# KiCad board AOML_AB_3.0_reorganized-v3.kicad_pcb (continued)
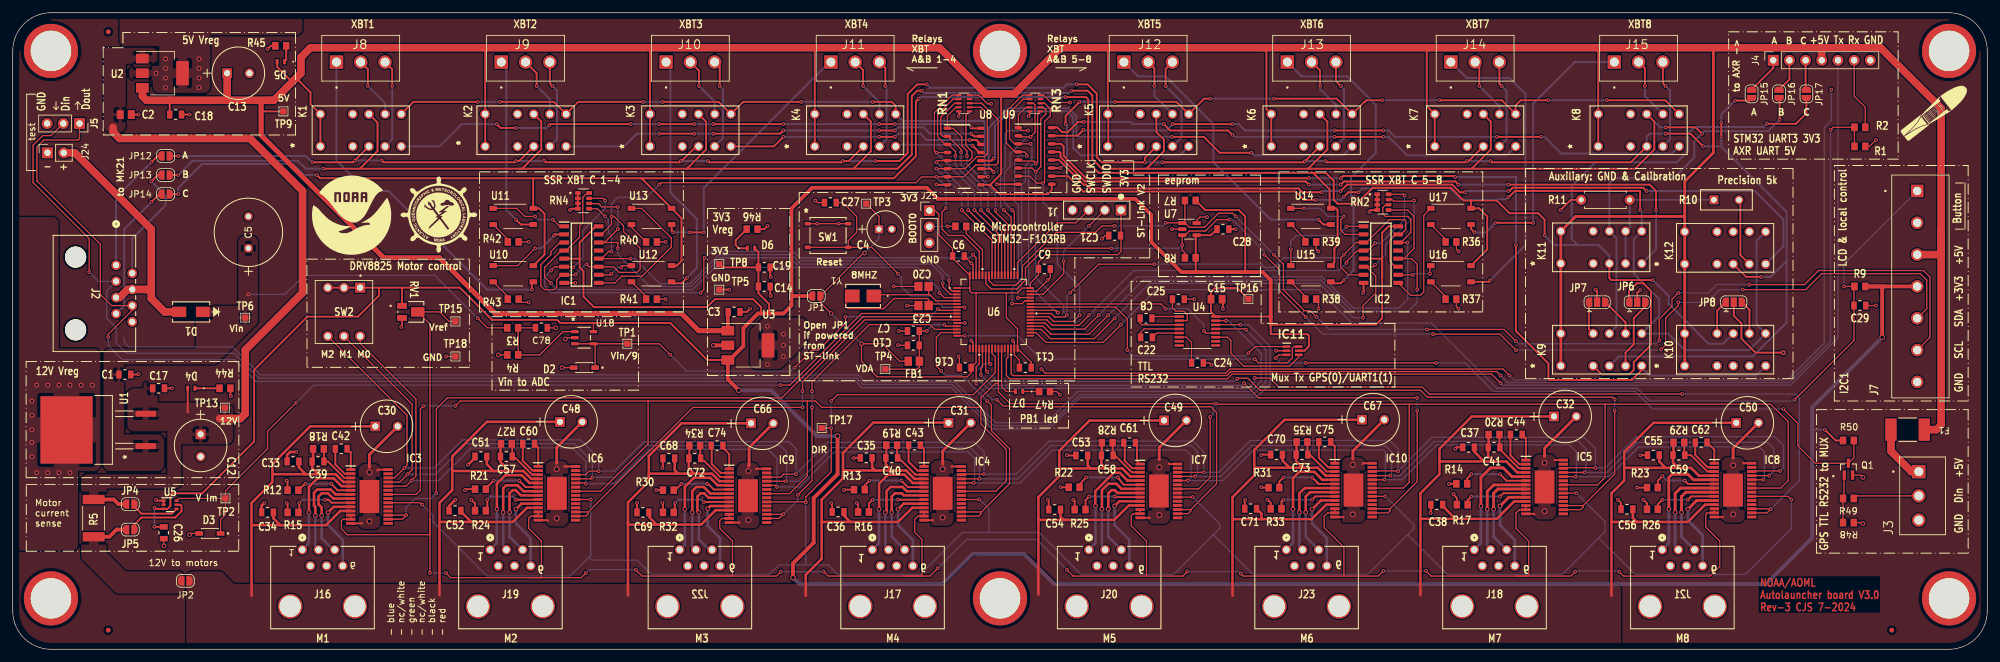
[diagram p0: board, top side]
## Routing (per net, layer and track width the routed paths; a pad name or vN(x,y) marks a point on that pad's centre or on a via; arc(x,y) is an arc through that point) (continued)
/Din_fromComputer: length 248.9
  Top w0.2: v1(193.6,50.2) 193.47,50.32 U4.13 ; J2.3 15.9,57.8 ; v1(12,59.25) 12,64.5 3.19,73.31 3.19,79.19 4.7,80.7 6.04,80.7 J5.2
  Bottom w0.2: v1(193.6,50.2) 196.75,47.05 196.75,42 194.75,40 167.5,40 162.6,35.1 154,35.1 147.5,41.6 133.5,41.6 132.5,42.6 38.64,42.6 34.74,46.5 17.85,46.5 16.23,48.12 16.23,50.52 14.75,52 14.75,56.32 J2.3 13.45,57.8 v1(12,59.25)
/Din_fromGPS: length 104.7
  Top w0.2: IC11.3 198.75,46.25 v1(198.25,45.75) ; v1(203,45) v1(223.5,45) ; v1(278,37.75) 280.25,35.5 280.25,32 283.02,29.23 Q1.3 289.05,30.08 R50.2
  Bottom w0.2: v1(278,37.75) 257.5,37.75 254.75,40.5 232.5,40.5 228,45 v1(223.5,45) ; v1(203,45) 199,45 v1(198.25,45.75)
/Dout_toComputer: length 257.1
  Top w0.2: J5.1 10.48,80.23 10.25,80 4.9,80 3.8,78.9 3.8,73.6 13.75,63.65 13.75,55.75 15.51,53.99 J2.6 18.77,53.27 15,49.5 v1(15,49) ; U4.14 188.89,51 v1(192.75,51)
  Bottom w0.2: v1(15,49) 15,47.7 17.2,45.5 34.8,45.5 38.2,42.1 132.33,42.1 133.33,41.1 147.33,41.1 153.83,34.6 162.67,34.6 167.67,39.6 195.3,39.6 197.4,41.7 197.4,47.6 194,51 v1(192.75,51)
/I2C1_SCL: length 190
  Top w0.2: v1(222,50.25) 234.15,50.25 v1(236,48.4) ; v1(173,66.5) 171,66.5 170,65.5 163.8,65.5 158.5,60.2 158.5,58.2 157.5,57.2 154,57.2 153.25,57.95 U6.58 ; U7.1 184.08,66.95 184.73,66.3 187.1,66.3 189.3,68.5 191.5,68.5 v1(192,68) ; U7.1 183.56,67 v1(181,67) ; U7.1 184.03,67.37 R7.2 ; v1(272.6,57.3) 281.3,57.3 283.5,59.5 300,59.5 301,58.5 301,49 J7.6 ; v1(258.5,48.5) 258.5,51.9 260.5,53.9 260.5,55 v1(261.5,56) ; v1(204.7,52.2) 203.7,53.2 202.8,53.2 199.5,56.5 199.5,60.5 v1(198,62)
  Bottom w0.2: v1(272.6,57.3) 267.5,57.3 266.2,56 v1(261.5,56) ; v1(192,68) v1(198,62) ; v1(173,66.5) 180.5,66.5 v1(181,67) ; v1(204.7,52.2) 206.65,50.25 v1(222,50.25) ; v1(258.5,48.5) 258,48 236.4,48 v1(236,48.4)
/I2C1_SDA: length 183.6
  Top w0.2: U6.59 152.75,57.45 153.6,56.6 157.6,56.6 159,58 159,59.93 162.07,63 v1(172.5,63) ; v1(236,47) 233.5,49.5 v1(223,49.5) ; v1(196.5,62) 198.9,59.6 198.9,56.3 v1(203,52.2) ; R8.2 184.03,62.27 183.6,62.7 v1(183.6,63.5) 183.6,65.04 U7.3 184.05,65.05 184.7,65.7 187.27,65.7 189.07,67.5 v1(191,67.5) ; J7.5 300.5,53.5 300.5,58 299.5,59 284,59 281.5,56.5 v1(271.6,56.5) ; v1(258.8,47.1) 259.5,47.8 259.5,52.01 261.5,54.01 v1(261.5,54.5)
  Bottom w0.2: v1(172.5,63) 183.1,63 v1(183.6,63.5) ; v1(261.5,54.5) 266,54.5 268,56.5 v1(271.6,56.5) ; v1(191,67.5) 191.5,67.5 196.5,62.5 v1(196.5,62) ; v1(203,52.2) 205.7,49.5 v1(223,49.5) ; v1(236,47) 258.7,47 v1(258.8,47.1)
/MotorControl/Mode_0: length 303.6
  Top w0.2: v1(245.38,27.12) IC5.24 ; v1(215.38,26.62) IC10.24 ; v1(184.5,26.5) IC7.24 ; IC9.24 119.75,25.75 v1(120,25.5) ; v1(274.88,26.62) IC8.24 ; v1(90,26) 89.88,26.12 IC6.24 ; IC3.24 61.75,25.62 v1(62.62,26.5) 63.3,27.18 63.3,39.31 54.54,48.07 SW2.1 ; v1(150.88,26.12) IC4.24
  Bottom w0.2: v1(62.62,26.5) 66.85,26.5 72,31.65 87.85,31.65 90,29.5 v1(90,26) 94.5,26 99.9,31.4 118.6,31.4 120,30 v1(120,25.5) 123.5,25.5 129,31 150,31 151,30 151,26.25 v1(150.88,26.12) 158.12,26.12 163.3,31.3 184.2,31.3 185,30.5 185,27 v1(184.5,26.5) 190,26.5 194.8,31.3 215.2,31.3 215.5,31 215.5,26.75 v1(215.38,26.62) 218.12,26.62 223.6,32.1 244.4,32.1 245.5,31 245.5,27.25 v1(245.38,27.12) 250.62,27.12 255.3,31.8 274.2,31.8 275,31 275,26.75 v1(274.88,26.62)
/MotorControl/Mode_1: length 310.9
  Top w0.2: v1(216.27,27.28) IC10.25 ; v1(151.78,26.78) IC4.25 ; v1(246.77,27.78) IC5.25 ; v1(275.77,27.28) IC8.25 ; IC3.25 60.78,26.28 v1(62,27.5) 62.7,28.2 62.7,38.49 SW2.2 ; IC6.25 90.78,26.78 v1(91,27) ; v1(121.4,26.4) IC9.25 ; v1(185.65,27.15) IC7.25
  Bottom w0.2: v1(275.77,27.28) 276.5,28 276.5,31.5 275.5,32.5 255,32.5 250.27,27.78 v1(246.77,27.78) 247,28 247,31.5 245.85,32.65 223.15,32.65 217.77,27.28 v1(216.27,27.28) 216.5,27.5 216.5,31 215.5,32 194.5,32 189.65,27.15 v1(185.65,27.15) 186,27.5 186,31 185,32 163,32 157.78,26.78 v1(151.78,26.78) 151.78,30.22 150.3,31.7 128.7,31.7 123.4,26.4 v1(121.4,26.4) 121.5,26.5 121.5,31 120.5,32 99.5,32 94.5,27 v1(91,27) 91,29.5 88.2,32.3 71.2,32.3 66.4,27.5 v1(62,27.5)
/MotorControl/Mode_2: length 318.3
  Top w0.2: IC3.26 59.92,26.93 v1(61.5,28.5) 61.9,28.9 61.9,36.75 SW2.3 ; v1(187,27.8) IC7.26 ; IC6.26 89.93,27.43 90.5,28 v1(92,28) ; IC4.26 149.04,27.53 v1(152.5,27.53) ; v1(277.5,28.03) 273.12,28.03 IC8.26 ; IC5.26 243.54,28.53 248.48,28.53 v1(248.5,28.5) ; v1(217.5,28) 217.48,28.03 213.54,28.03 IC10.26 ; IC9.26 120.55,27.05 121.01,27.51 v1(122.97,27.51)
  Bottom w0.2: 123,27.5 123,31.5 121.9,32.6 99.1,32.6 94.5,28 v1(92,28) 92,30 89.1,32.9 70.6,32.9 66.2,28.5 v1(61.5,28.5) ; v1(122.97,27.51) 127.95,32.5 151,32.5 152.5,31 v1(152.5,27.53) 157.53,27.53 162.7,32.7 185.3,32.7 187,31 v1(187,27.8) 189.3,27.8 194.3,32.8 216.2,32.8 217.5,31.5 v1(217.5,28) 222.8,33.3 246.7,33.3 248.5,31.5 v1(248.5,28.5) 250,28.5 254.9,33.4 276.6,33.4 278,32 278,28.53 v1(277.5,28.03)
/MotorControl/Vref: length 377
  Top w0.2: 109.44,11.5 119.9,11.5 v1(120.6,12.2) ; 109.44,11.5 113,11.5 113,17 111,19 111,20.2 111.35,20.55 IC9.13 IC9.12 ; 109.44,11.5 98.8,11.5 v1(97.8,12.5) ; 178,11.5 178,17 175.6,19.4 175.6,21 175.9,21.3 IC7.13 IC7.12 ; 236,11.5 238,11.5 238,17 236,19 236,21.4 236.52,21.93 IC5.13 IC5.12 ; 236,11.5 222.7,11.5 v1(221.9,12.3) ; 236,11.5 244.6,11.5 v1(245.3,12.2) ; IC3.12 IC3.13 51.83,20.43 51.6,20.2 51.6,18.9 52.5,18 65.5,18 65.5,20.5 ; IC8.12 IC8.13 266.02,21.43 265.8,21.2 265.8,19.2 268,17 268,13 266.5,11.5 252.9,11.5 v1(252.2,12.2) ; 81,11.25 89.25,11.25 v1(90,12) ; v1(145.25,12.75) 144,11.5 139.75,11.5 ; IC10.12 IC10.13 206.43,21.43 205.9,20.9 205.9,19.1 209,16 209,11.5 ; v1(165.5,12.5) 166.5,11.5 183.7,11.5 v1(184.4,12.2) ; IC4.12 IC4.13 142.12,20.93 141.6,20.4 141.6,18.4 142.75,17.25 142.75,11.5 128,11.5 v1(127.3,12.2) ; 65.5,20.5 v1(65.5,12) ; 65.5,20.5 65.5,51.09 RV1.2 67,53 68.5,51.5 TP15.1 ; IC6.12 IC6.13 81.32,20.93 81,20.6 81,19 83,17 83,11.25 68.75,11.25 v1(68,12) ; v1(192.8,11.9) 193.2,11.5 214.4,11.5 v1(215.2,12.3)
  Bottom w0.2: v1(215.2,12.3) v1(221.9,12.3) ; v1(127.3,12.2) v1(120.6,12.2) ; v1(97.8,12.5) 90.5,12.5 v1(90,12) ; v1(65.5,12) v1(68,12) ; v1(165.5,12.5) 160.75,17.25 149.75,17.25 v1(145.25,12.75) ; v1(192.8,11.9) 192.5,12.2 v1(184.4,12.2) ; v1(245.3,12.2) 245.4,12.3 252.1,12.3 v1(252.2,12.2)
/MUX_output: length 17
  Top w0.2: U4.11 190.72,49.03 191.25,48.5 191.25,46.5 193.25,44.5 200.5,44.5 201.9,45.9 IC11.4
/MUX_select: length 57.3
  Top w0.2: v1(195,45.57) 195.57,45 200.08,45 200.9,45.82 200.9,47.3 201.15,47.55 IC11.6 ; U6.16 v1(149.5,49.25)
  Bottom w0.2: v1(195,45.57) 161.43,45.57 157.75,49.25 v1(149.5,49.25)
/RelayControl/Reset1: length 107.6
  Top w0.3: v1(135,86) 138,86 138.62,85.38 K4.7 ; v1(123.8,86) 114.67,86 K3.7 110.83,86 v1(102,86) ; v1(73,86) 62.92,86 K1.7 ; v1(76.5,86) 84.95,86 K2.7 88.79,86 v1(99,86) ; v1(153.13,74.23) U8.10
  Bottom w0.3: v1(73,86) v1(76.5,86) ; K4.7 139.7,83 152.5,83 152.6,82.9 152.6,74.76 v1(153.13,74.23) ; v1(99,86) v1(102,86) ; v1(123.8,86) v1(135,86)
/RelayControl/Reset2: length 114.5
  Top w0.3: K8.7 259.45,86.25 v1(250.25,86.25) ; v1(224,86.25) 233.79,86.25 K7.7 235.96,85.46 236.75,86.25 v1(241.1,86.25) ; v1(215,86.25) 212.5,86.25 212.25,86 212.21,86 K6.7 207.87,86.5 v1(198,86.5) ; v1(167.5,86) 165.3,83.8 v1(165.3,82.5) ; v1(164.5,75.59) U9.11 ; v1(188,86.5) 187.04,86.5 K5.7 182.7,86 v1(173,86)
  Bottom w0.3: v1(198,86.5) v1(188,86.5) ; v1(165.3,82.5) 165.5,82.3 165.5,76.59 v1(164.5,75.59) ; v1(224,86.25) v1(215,86.25) ; v1(167.5,86) v1(173,86) ; v1(250.25,86.25) v1(241.1,86.25)
/RelayControl/Reset3: length 160.5
  Top w0.3: v1(209,71.1) 209.7,71.8 v1(211.3,71.8) ; v1(204.6,70.6) 202.7,70.6 201.4,71.9 168.1,71.9 165.68,74.33 U9.10 ; v1(234.8,71) 234.86,71 235.86,72 255.5,72 v1(255.5,69)
  Bottom w0.3: K12.7 273.77,64.17 273.77,51.03 K10.7 272.6,47 262.5,47 259.9,49.6 K9.7 258.5,52.35 258.5,55 254.5,59 254.5,64.43 K11.7 255.75,68.75 v1(255.5,69) ; v1(204.6,70.6) 208.5,70.6 v1(209,71.1) ; v1(211.3,71.8) 211.9,72.4 225.6,72.4 227.3,70.7 234.5,70.7 v1(234.8,71)
/RelayControl/XBT1_A: length 14.2
  Top w0.3: v1(59.57,88.5) 59.57,91.13 J8.3
  Bottom w0.3: v1(59.57,88.5) 59.57,80.11 K1.5
/RelayControl/XBT1_B: length 9.8
  Top w0.3: J8.2 55.75,91.14 v1(55.75,88.5)
  Bottom w0.3: K1.8 58.46,85.79 v1(55.75,88.5)
/RelayControl/XBT1_C: length 55.9
  Top w0.3: v1(81.5,56.5) 81.5,57.5 U10.4
  Bottom w0.3: v1(81.5,56.5) 74.5,56.5 59,72 55.6,72 50.83,76.77 J8.1
/RelayControl/XBT2_A: length 14.2
  Top w0.3: J9.3 84.32,88.93 v1(84.75,88.5)
  Bottom w0.3: K2.5 85.45,80.11 85.45,87.8 v1(84.75,88.5)
/RelayControl/XBT2_B: length 9.8
  Top w0.3: v1(82.25,88.5) 82.25,90.51 J9.2
  Bottom w0.3: v1(82.25,88.5) 84.33,86.42 K2.8
/RelayControl/XBT2_C: length 28.7
  Top w0.3: U11.4 79.77,66.73 v1(79,67.5)
  Bottom w0.3: J9.1 77.49,91.46 77.49,69.01 v1(79,67.5)
/RelayControl/XBT3_A: length 14.3
  Top w0.3: v1(111,88.5) 111,91.44 J10.3
  Bottom w0.3: v1(111,88.5) 111.5,88 111.5,80.29 K3.5
/RelayControl/XBT3_B: length 9.8
  Top w0.3: v1(107.75,88.5) 107.75,90.88 J10.2
  Bottom w0.3: v1(107.75,88.5) 110.21,86.04 K3.8
/RelayControl/XBT3_C: length 39.4
  Top w0.3: U12.4 103.67,57.5 105,57.5 v1(105.88,58.38)
  Bottom w0.3: J10.1 103.25,91.58 103.25,71.75 107.4,67.6 107.4,59.9 v1(105.88,58.38)
/RelayControl/XBT4_A: length 14.2
  Top w0.3: J11.3 137,91.32 v1(137,88.5)
  Bottom w0.3: v1(137,88.5) 137.19,88.31 137.19,80.11 K4.5
/RelayControl/XBT4_B: length 9.8
  Top w0.3: J11.2 133.5,91.01 v1(133.5,88.5)
  Bottom w0.3: K4.8 136.08,85.92 v1(133.5,88.5)
/RelayControl/XBT4_C: length 41.3
  Top w0.3: v1(103.7,65.5) 103.44,65.76 U13.4 ; v1(108.5,65.5) v1(106.3,65.5)
  Bottom w0.3: v1(108.5,65.5) 108.5,72.5 128.25,92.25 J11.1 ; v1(106.3,65.5) v1(103.7,65.5)
/RelayControl/XBT5_A: length 15.3
  Top w0.3: J12.3 181,91.18 v1(181,88.5)
  Bottom w0.3: K5.5 183.5,80.42 183.5,86 v1(181,88.5)
/RelayControl/XBT5_B: length 9.8
  Top w0.3: v1(179.25,88.5) 179.25,91.26 J12.2
  Bottom w0.3: v1(179.25,88.5) 179.25,86.91 K5.8
/RelayControl/XBT5_C: length 46.6
  Top w0.3: v1(205,67.5) 205.77,66.73 U14.4
  Bottom w0.3: J12.1 176.7,90 181,90 188.5,82.5 188.5,76.5 197.5,67.5 v1(205,67.5)
/RelayControl/XBT6_A: length 14.3
  Top w0.3: J13.3 207.74,89.26 v1(208.5,88.5)
  Bottom w0.3: K6.5 209,80.25 209,88 v1(208.5,88.5)
/RelayControl/XBT6_B: length 9.8
  Top w0.3: v1(205.25,88.5) 205.25,90.93 J13.2
  Bottom w0.3: v1(205.25,88.5) 205.25,88 207.75,85.5 K6.8
/RelayControl/XBT6_C: length 48.9
  Top w0.3: v1(209,58) 208.5,57.5 207.18,57.5 U15.4
  Bottom w0.3: v1(209,58) 210.5,59.5 210.5,71 210.1,71.4 210.1,74.1 214,78 214,85.5 209.5,90 202.37,90 J13.1
/RelayControl/XBT7_A: length 14.2
  Top w0.3: J14.3 233.4,88.85 v1(233.75,88.5)
  Bottom w0.3: v1(233.75,88.5) 234.53,87.72 234.53,80.11 K7.5
/RelayControl/XBT7_B: length 9.8
  Top w0.3: J14.2 230.25,91.59 v1(230.25,88.5)
  Bottom w0.3: K7.8 233.42,85.33 v1(230.25,88.5)
/RelayControl/XBT7_C: length 48.5
  Top w0.3: v1(232,58) 231.73,57.73 U16.4
  Bottom w0.3: J14.1 228.28,89.75 235,89.75 237.5,87.25 237.5,63.5 v1(232,58)
/RelayControl/XBT8_A: length 14.2
  Top w0.3: v1(259.5,88.5) 259.07,88.93 J15.3
  Bottom w0.3: K8.5 260.2,80.11 260.2,87.8 v1(259.5,88.5)
/RelayControl/XBT8_B: length 9.8
  Top w0.3: v1(256.25,88.5) 256.25,91.26 J15.2
  Bottom w0.3: v1(256.25,88.5) 256.25,86.91 K8.8
/RelayControl/XBT8_C: length 45.4
  Top w0.3: v1(238.7,67) v1(232.8,67) ; v1(229.5,65.5) 228.94,66.06 U17.4
  Bottom w0.3: v1(238.7,67) 238.7,85.7 245.25,92.25 J15.1 ; v1(232.8,67) 231.3,65.5 v1(229.5,65.5)
/SWCLK: length 16.6
  Top w0.2: J1.3 166.92,67 164,67 157.75,60.75 U6.49
/SWDIO: length 19.3
  Top w0.2: v1(168.96,66.5) J1.2 ; U6.46 161.75,55.75 165,59 v1(165,61)
  Bottom w0.2: v1(165,61) 165,62.54 v1(168.96,66.5)
/UART1_RX: length 31.6
  Top w0.2: U4.12 187.32,49.68 v1(187,50) ; v1(181,53.5) 180.25,54.25 U6.43
  Bottom w0.2: v1(181,53.5) 184.5,53.5 187,51 v1(187,50)
/UART1_TX: length 46.9
  Top w0.2: v1(175,47) 175,51.9 173.15,53.75 U6.42 ; v1(194,46.5) 195.05,47.55 IC11.1
  Bottom w0.2: v1(194,46.5) 193.6,46.1 175.9,46.1 v1(175,47)
/UART3_RX: length 176.6
  Top w0.2: v1(285.4,81.6) 285.8,82 R2.1 R1.1 ; v1(233.6,43) 232.98,43.62 191.22,43.62 190.6,43 157,43 156.75,43.25 U6.30
  Bottom w0.2: v1(285.4,81.6) 285.4,48.37 278.93,41.9 234.7,41.9 v1(233.6,43)
/UART3_TX: length 182.8
  Top w0.2: U6.29 156.25,45.85 156,45.6 156,43 156.5,42.5 190.7,42.5 191.42,43.22 232.18,43.22 v1(233.6,41.8)
  Bottom w0.2: v1(233.6,41.8) 233.9,41.5 279.1,41.5 286.56,48.96 J4.5
DIR: length 382.8
  Top w0.2: IC3.20 63.97,23.03 v1(64.3,22.7) ; v1(185.25,23.9) IC7.20 ; v1(245.5,24.53) IC5.20 ; v1(279.25,23.5) 278.73,24.03 IC8.20 ; v1(128.5,39) 129.5,40 150.8,40 154.25,43.45 154.25,45.95 153.75,46.45 U6.24 ; v1(215.5,24.03) IC10.20 ; TP17.1 v1(128.5,34.75) 128.5,27.9 124.5,23.9 v1(124.5,23.1) 124.45,23.15 IC9.20 ; v1(151.75,23.53) IC4.20 ; v1(90.75,23.53) IC6.20
  Bottom w0.2: 188.5,18 189.5,19 189.5,19.65 v1(185.25,23.9) ; 188.5,18 182.25,11.75 167.75,11.75 161.15,18.35 149.1,18.35 142.5,11.75 129.5,11.75 128,13.25 120.25,13.25 118.75,11.75 100.25,11.75 98,14 91,14 90.5,14.5 ; 188.5,18 194.75,11.75 212.75,11.75 219,18 ; 249,17.5 250,18.5 250,20.03 v1(245.5,24.53) ; 249,17.5 254.75,11.75 272,11.75 279.25,19 v1(279.25,23.5) ; 249,17.5 243.25,11.75 225.25,11.75 219,18 ; v1(128.5,34.75) v1(128.5,39) ; 219,18 220,19 220,19.53 v1(215.5,24.03) ; v1(90.75,23.53) 90.75,14.75 87.5,11.5 74.5,11.5 66,20 66,21 v1(64.3,22.7) ; 153.25,18.35 153.25,22.1 151.82,23.53 v1(151.75,23.53) ; v1(124.5,23.1) 124.5,13.25
Enable_M1: length 113.8
  Top w0.2: U6.10 133.5,52.25 120.75,39.5 68.25,39.5 66.5,37.75 v1(66.5,24.5) ; IC3.16 61.17,20.43 61.75,21 v1(61.75,21.07) IC3.17
  Bottom w0.2: v1(66.5,24.5) 65.67,23.68 63.17,23.68 61.75,22.25 v1(61.75,21.07)
Enable_M2: length 77.1
  Top w0.2: 90.37,21.57 IC6.17 ; 90.37,21.57 90.37,21.29 90,20.93 IC6.16 ; 90.37,21.57 106.79,38 v1(124,38) ; v1(124,40.52) 124,42 133.75,51.75 U6.11
  Bottom w0.2: v1(124,38) v1(124,40.52)
Enable_M3: length 55
  Top w0.2: v1(125.5,38) 125.5,26.5 v1(123.25,24.25) ; IC9.16 120.35,20.55 v1(121,21.2) IC9.17 ; v1(125.5,40.52) 125.5,42 134.5,51 144,51 144.75,50.25 U6.14
  Bottom w0.2: v1(121,21.2) 123.25,23.45 v1(123.25,24.25) ; v1(125.5,38) v1(125.5,40.52)
Enable_M4: length 45.7
  Top w0.2: v1(145.75,43.75) 145,44.5 145,49 145.75,49.75 U6.15 ; 152.07,21.57 152.07,21.32 151.68,20.93 IC4.16 ; 152.07,21.57 156.5,26 156.5,31.5 153.65,34.35 153.65,38.35 v1(153,39) ; 152.07,21.57 IC4.17
  Bottom w0.2: v1(153,39) 149,43 146.5,43 v1(145.75,43.75)
Enable_M5: length 66.9
  Top w0.2: 184.95,21.95 IC7.17 ; 184.95,21.95 189,26 189,37.2 188.1,38.1 156.53,38.1 156.41,38.22 155.48,38.22 v1(154.5,39.2) ; 184.95,21.95 184.95,21.7 184.55,21.3 IC7.16 ; U6.20 151.75,44.85 151.25,44.35 v1(151.25,41.75)
  Top w0.3: IC7.17 182.93,22
  Bottom w0.2: v1(151.25,41.75) 153.8,39.2 v1(154.5,39.2)
Enable_M6: length 99.8
  Top w0.2: 216.25,22.07 IC10.17 ; 216.25,22.07 216.25,21.75 215.93,21.43 IC10.16 ; 216.25,22.07 220.5,26.32 v1(220.5,37.5) ; v1(220.5,39.5) 195.6,39.5 v1(193.3,41.8) ; U6.21 152.25,44.35 152,44.1 v1(152,43.1)
  Bottom w0.2: v1(193.3,41.8) 192.97,41.47 153.63,41.47 v1(152,43.1) ; v1(220.5,39.5) v1(220.5,37.5)
Enable_M7: length 129.8
  Top w0.2: 246.57,22.57 251.5,27.51 v1(251.5,37.5) ; 246.57,22.57 246.57,22.32 246.18,21.93 IC5.16 ; 246.57,22.57 IC5.17 ; v1(251.5,39.25) 251.15,39.6 222.1,39.6 221,40.7 195.8,40.7 193.93,42.57 192.32,42.57 v1(192.25,42.5) ; U6.22 152.75,43.85 v1(153,43.6)
  Bottom w0.2: v1(251.5,37.5) v1(251.5,39.25) ; v1(153,43.6) 154.5,42.1 191.85,42.1 v1(192.25,42.5)
Enable_M8: length 164
  Top w0.2: v1(195,42.6) 197.4,42.6 198.8,41.2 221.29,41.2 222.39,40.1 v1(262.1,40.1) ; U6.23 153.25,45.05 v1(153.5,44.8) ; IC8.17 275.93,22.07 v1(276,22) 275.43,21.43 IC8.16
  Bottom w0.2: v1(276,22) 280.5,26.5 280.5,39.5 279.9,40.1 v1(262.1,40.1) ; v1(153.5,44.8) 152.4,44.8 151.3,43.7 151.3,42.7 153,41 194,41 195,42 v1(195,42.6)
relay_cal_cont: length 42.3
  Top w0.2: v1(156.9,54.3) 158.5,54.3 158.95,54.75 U6.44 ; RN3.1 158.56,87.06 156,84.5 156,79.5 157.37,78.14 U9.4 158.87,78.14 159.2,77.8 v1(159.2,77.5)
  Bottom w0.2: v1(159.2,77.5) 158.03,77.5 157.3,76.78 157.3,70.4 157.9,69.8 157.9,57.7 156.9,56.7 v1(156.9,54.3)
relay_cal_res: length 42.1
  Top w0.2: v1(164.1,52.9) 163.75,53.25 U6.41 ; RN3.6 160.9,84.05 160.9,76.6 v1(160.6,76.3) 160.6,76.4 160.3,76.7 158.04,76.7 U9.5
  Bottom w0.2: v1(164.1,52.9) 163.85,52.9 159.5,57.25 159.5,75.5 160.3,76.3 v1(160.6,76.3)
relay_gnd_cond: length 38.9
  Top w0.2: v1(157.8,55.2) 157.85,55.25 U6.45 ; v1(159.8,79.4) 159.79,79.41 U9.3 157.29,79.41 156.5,80.2 156.5,84.28 158.65,86.42 RN3.2
  Bottom w0.2: v1(157.8,55.2) 157.8,56.5 158.4,57.1 158.4,72.9 159,73.5 159,76 160,77 160,79.2 v1(159.8,79.4)
relay_reset1: length 139.8
  Top w0.2: U6.61 151.75,62.5 149.25,65 146.9,65 145.88,66.02 145.88,68.69 v1(146.5,69.3) ; v1(90.1,60.5) 90.5,60.09 IC1.11 94.31,60.09 95.2,59.2 98,59.2 98.5,59.7 98.5,63 95.9,65.6 95.9,66.5 94.4,68 v1(94,68) 94,66.74 92.44,65.17 IC1.15 ; v1(101.5,73) 101.8,73.3 141.8,73.3 142.7,74.2 v1(145,74.2) 145.03,74.23 U8.7 149.33,74.23 151.2,76.1 154.4,76.1 154.7,76.4 154.7,83.21 152.13,85.78 RN1.7 ; v1(88.4,58.9) 88.32,58.83 IC1.7 86.14,58.83 85.4,58.09 85.4,56.9 85,56.5 83.5,56.5 82.9,57.1 82.9,60.4 84.5,62 84.5,62.5 85.91,63.91 IC1.3
  Bottom w0.2: v1(146.5,69.3) 146.5,72.7 v1(145,74.2) ; v1(88.4,58.9) 90,60.5 v1(90.1,60.5) ; v1(94,68) 94,70 95,71 99.5,71 v1(101.5,73)
relay_reset2: length 122.5
  Top w0.2: U9.6 160.03,75.59 v1(160.61,75.01) 161.4,75.8 161.4,83.3 162.2,84.1 162.2,84.74 161.8,85.14 RN3.8 ; v1(166,56) 170.5,60.5 v1(179.25,60.5) ; IC2.7 209.68,58.83 208.5,60 208.5,61.5 v1(209,62) 210.9,63.91 IC2.3 212.52,63.91 216.12,67.5 218.5,67.5 218.7,67.3 218.7,65.93 217.94,65.17 IC2.15 217.07,65.17 216.2,64.31 216.2,60.96 217.07,60.09 IC2.11 ; U6.40 163.05,52.75 163.6,52.2 165.2,52.2 v1(165.5,52.5)
  Bottom w0.2: v1(179.25,60.5) 196,60.5 196.5,60 198,60 199.5,61.5 208.5,61.5 v1(209,62) ; v1(166,56) 165.5,55.5 v1(165.5,52.5) 165,53 165,54 160.6,58.4 160.6,75 v1(160.61,75.01)
relay_reset3: length 50
  Top w0.2: RN3.7 162.02,85.78 162.9,84.9 162.9,83.8 162,82.9 162,73.5 v1(161.75,73.25) 160.75,73.25 159.68,74.33 U9.7 ; v1(167.5,52.5) 166.5,51.5 163.4,51.5 162.65,52.25 U6.39
  Bottom w0.2: v1(167.5,52.5) 167.5,57 164,60.5 164,68 161.75,70.25 v1(161.75,73.25)
relay_xbt1: length 31.9
  Top w0.2: v1(149.8,77.5) 149.8,78.3 149,79.1 149,80.5 147.65,81.85 U8.1 146.75,83.82 148.07,85.14 RN1.4 ; v1(154.3,69) 154.3,68.7 156.25,66.75 U6.52
  Bottom w0.2: v1(149.8,77.5) 149.8,76.2 154.3,71.7 v1(154.3,69)
relay_xbt2: length 33.2
  Top w0.2: U6.53 155.75,66.25 153.1,68.9 v1(153.1,69) ; v1(148.9,78.1) 148.9,78.52 146.84,80.58 U8.2 146.02,80.58 145.7,80.9 145.7,83.6 147.88,85.78 RN1.3
  Bottom w0.2: v1(148.9,78.1) 148.9,76.1 153.1,71.9 v1(153.1,69)
relay_xbt3: length 34
  Top w0.2: 148.03,77.61 148.03,78.17 146.78,79.42 ; RN1.2 147.62,86.42 145.2,84 145.2,80.5 146.39,79.31 U8.3 ; v1(152,69) 155.25,65.75 U6.54
  Bottom w0.2: v1(148,77.5) 148,76 152,72 v1(152,69)
relay_xbt4: length 36.4
  Top w0.2: U6.55 154.75,65.25 v1(151,69) ; RN1.1 147.46,87.06 144.7,84.3 144.7,78.3 v1(145,78) 145.04,78.04 U8.4
  Bottom w0.2: v1(145,78) 151,72 v1(151,69)
relay_xbt5: length 35.4
  Top w0.2: v1(145,76.5) 145.27,76.77 U8.5 150.17,76.77 150.6,77.2 150.6,78.2 149.65,79.15 149.65,83.93 RN1.6 ; U6.56 154.25,64.75 v1(150,69)
  Bottom w0.2: v1(150,69) 150,71.5 v1(145,76.5)
relay_xbt6: length 38.8
  Top w0.2: v1(145,75.5) U8.6 149.5,75.5 151.4,77.4 152.6,77.4 153,77.8 153,84.1 151.96,85.14 RN1.8 ; v1(149,69) 153.75,64.25 U6.57
  Bottom w0.2: v1(145,75.5) 149,71.5 v1(149,69)
relay_xbt7: length 33
  Top w0.2: RN3.4 159.04,85.14 157.87,83.97 U9.1 158.32,81.5 v1(159.4,81.5) ; U6.51 156.75,67.85 v1(155.6,69)
  Bottom w0.2: v1(155.6,69) 155.1,69.5 155.1,75.1 155.8,75.8 155.8,81 156.3,81.5 v1(159.4,81.5)
relay_xbt8: length 32.6
  Top w0.2: RN3.3 160.23,85.78 160.5,85.51 160.5,81.2 v1(159.8,80.5) 158.05,80.5 U9.2 ; v1(156.9,69) 157.25,68.65 U6.50
  Bottom w0.2: v1(159.8,80.5) 159.3,80.5 156.6,77.8 156.6,75.83 155.7,74.93 155.7,70.2 v1(156.9,69)
SSR_xbt1: length 86
  Top w0.2: v1(145.5,56) 146.25,55.25 U6.4 ; v1(84.5,57.5) 83.5,58.5 83.5,60 86.14,62.64 IC1.4 86.88,62.64 89,64.75 89,66.5 89.5,67 89.5,71 90.19,71.69 RN4.8
  Bottom w0.2: v1(84.5,57.5) 85.5,56.5 106.75,56.5 110.25,60 142,60 145.5,56.5 v1(145.5,56)
SSR_xbt2: length 77.6
  Top w0.2: v1(146,57.5) 146,56.98 147.23,55.75 U6.3 ; v1(95,69.5) 92.5,69.5 92,70 90.54,70 RN4.6 ; v1(95,63) 95,63.91 IC1.14 92.91,63.91 v1(95,66)
  Bottom w0.2: v1(95,63) 95,62 100,57 106.5,57 111,61.5 122,61.5 123,60.5 144.25,60.5 146,58.75 v1(146,57.5) ; v1(95,66) v1(95,69.5)
SSR_xbt3: length 74.6
  Top w0.2: v1(147,58) 147,56.74 147.49,56.25 U6.2 ; v1(97,61.36) IC1.12 92.44,61.36 93.57,62.5 v1(94,62.5) ; RN4.5 91.79,69.2 v1(93,68)
  Bottom w0.2: v1(97,61.36) 97.63,61.36 101.57,57.43 106.3,57.43 110.88,62 122.25,62 123.25,61 144.5,61 147,58.5 v1(147,58) ; v1(94,62.5) 94,65 93.5,65.5 93.5,67.5 v1(93,68)
SSR_xbt4: length 99.2
  Top w0.2: v1(108,56) 108.5,56.5 108.5,61.4 v1(108.6,61.5) ; RN4.7 92.66,70.84 v1(93,70.5) ; U6.62 151.25,61.5 v1(150.75,62) ; v1(84.5,59.5) 85.09,60.09 IC1.6 87.91,60.09 v1(88,60)
  Bottom w0.2: v1(150.75,62) 150.25,61.5 123.5,61.5 122.5,62.5 109.6,62.5 v1(108.6,61.5) ; v1(93,70.5) 93,69.25 89.5,65.75 89.5,61.5 v1(88,60) ; v1(84.5,59.5) 83.5,58.5 83.5,57 84.47,56.03 107.97,56.03 v1(108,56)
SSR_xbt5: length 72.5
  Top w0.2: v1(209.4,60.7) 209.4,60.9 211.13,62.64 IC2.4 212.74,62.64 v1(213.9,63.8) ; v1(169,52.5) 167.4,50.9 163.2,50.9 162.35,51.75 U6.38 ; RN2.8 218.32,71.48 v1(218.5,71.3)
  Bottom w0.2: v1(209.4,60.7) 208.2,59.5 176,59.5 v1(169,52.5) ; v1(213.9,63.8) 214.8,63.8 218.5,67.5 v1(218.5,71.3)
SSR_xbt6: length 87.6
  Top w0.2: RN2.6 215.54,69.84 215.1,69.4 215.1,68.4 215.5,68 219,68 219.5,67.5 219.5,65.46 217.94,63.91 IC2.14 v1(219,63.91) ; U6.37 162.05,51.25 163,50.3 168.3,50.3 v1(170.5,52.5)
  Bottom w0.2: v1(170.5,52.5) 176.5,58.5 205.6,58.5 210.5,53.6 217.6,53.6 219,55 v1(219,63.91)
SSR_xbt7: length 89.3
  Top w0.2: v1(220.5,56.5) 220.5,60.5 219.63,61.36 IC2.12 218.4,61.36 220,62.97 220,68 219,69 RN2.5 ; v1(172,52.5) 169,49.5 163,49.5 161.75,50.75 U6.36
  Bottom w0.2: v1(220.5,56.5) 220.5,54.5 219.12,53.12 210.28,53.12 205.4,58 177.5,58 v1(172,52.5)
SSR_xbt8: length 87.3
  Top w0.2: v1(173,52) 169.8,48.8 162.9,48.8 161.45,50.25 U6.35 ; v1(220,70.5) 219.9,70.4 216.8,70.4 216.5,70.7 216.06,70.7 RN2.7 ; v1(213.9,60.4) 213.6,60.09 IC2.6 212.52,60.09 214,58.62 214,56 212,54 v1(212,52.1)
  Bottom w0.2: v1(173,52) 178.5,57.5 205.1,57.5 210.5,52.1 v1(212,52.1) ; v1(220,70.5) 220,68 215.5,63.5 215.5,62 v1(213.9,60.4)
STEP: length 376.7
  Top w0.2: 152,38 127,38 126,39 124.75,39 ; 152,38 152,39.5 154.25,41.75 154.75,41.75 ; 152,38 152,35.38 156,31.38 156,26.5 154.32,24.82 IC4.22 ; IC5.22 248.82,25.82 250,27 250,38.5 ; 154.75,41.75 154.75,40.45 156.6,38.6 v1(188.9,38.6) 189,38.5 250,38.5 ; 154.75,41.75 U6.26 ; 124.75,39 124.75,27.25 121.95,24.45 IC9.22 ; 124.75,39 99.75,39 ; IC10.22 218.32,25.32 219.25,26.25 219.25,38.45 219.2,38.5 ; 99.75,39 99.75,32.25 92.32,24.82 IC6.22 ; 99.75,39 70.25,39 v1(69.5,38.25) ; 250,38.5 276,38.5 278.75,35.75 278.75,26.5 277.57,25.32 IC8.22 ; v1(188,36.5) 188,27 186.2,25.2 IC7.22 ; IC3.22 63.33,24.32 64,25 64,37.75 v1(64.5,38.25)
  Bottom w0.2: v1(188,36.5) 188.5,37 188.5,38.2 v1(188.9,38.6) ; v1(64.5,38.25) v1(69.5,38.25)
Vmotor_out: length 664.5
  Top w0.3: 106.24,31.59 106.24,29.73 ; R19.2 137.15,30.15
  Top w0.4: 104.5,27.59 103.93,28.16 C68.2 ; 104.5,27.59 99.95,27.59 99.86,27.5 99.86,26.36 ; 104.5,27.59 107,27.59 ; 191.5,20.57 191.64,20.44 196.05,20.44 ; 191.5,20.57 191.5,8.4 ; 191.5,20.57 191.5,23.89 194.91,27.3 194.91,31.3 199.66,36.05 211.5,36.05 211.46,36.01 ; 202.55,28.52 200.64,28.52 ; 202.55,28.52 201.49,29.59 C73.1 201.56,30.65 R35.2 201.53,32.54 ; 202.55,28.52 204.89,28.52 206.14,27.28 IC10.4 ; 200.64,28.52 194.91,28.52 ; 200.64,28.52 200.48,28.52 199.34,29.66 C70.2 ; 180.85,35.9 180.82,35.94 169.05,35.94 164.3,31.19 164.3,27.19 161.03,23.91 161.03,20.32 ; 131.5,20 127.09,20 ; 131.5,20 139,20 141.22,22.22 IC4.11 ; 131.5,20 130.5,21 C36.2 ; 46,27.5 44.93,28.57 C33.2 44.93,29.07 ; 46,27.5 40.88,27.5 40.78,27.6 ; 46,27.5 48,27.5 ; C30.1 46.69,35.03 40.78,29.11 40.78,27.6 ; R29.2 260.73,30.58 C59.1 260.66,29.34 261.5,28.5 ; 75.5,28 74.43,29.07 C51.2 ; 75.5,28 78,28 ; 75.5,28 69,28 ; 42,19.5 49.19,19.5 51.41,21.72 IC3.11 ; 42,19.5 37.5,19.5 ; 42,19.5 40.93,20.57 C34.2 ; C38.2 224.5,22.5 226.5,20.5 ; 116.02,35.11 115.63,35.5 105,35.5 99.86,30.36 99.86,26.36 ; 172,28.41 174.2,28.41 175.46,27.15 IC7.4 ; 172,28.41 171.58,28.41 170.92,29.08 C58.1 170.99,30.53 R28.2 ; 172,28.41 170,28.41 ; 37.5,19.5 37.5,8.4 ; 37.5,19.5 37.5,23 40.78,26.28 40.78,27.6 ; 251,20 251,24.5 253,26.5 253,31 257.57,35.57 C50.1 ; 251,20 255,20 ; 251,20 251,8.4 ; 107,27.59 106.14,28.44 C72.1 ; 107,27.59 109.76,27.59 110.95,26.4 IC9.4 ; C37.2 229.49,31.01 231,29.5 ; 164.3,28.4 164.31,28.41 170,28.41 ; 161.03,20.32 161.03,8.6 ; 161.03,20.32 165.44,20.32 ; 221,8.5 221,20.5 ; 221,20.5 221,24.5 224,27.5 224,31.5 229.07,36.57 C32.1 ; 221,20.5 226.5,20.5 ; 96.59,20 96.59,19.59 101.09,19.59 ; 96.59,20 96.59,8.51 96.6,8.5 ; 96.59,20 96.59,23.09 99.86,26.36 ; C31.1 146.88,35.61 135.11,35.61 130.36,30.86 130.36,26.86 ; 226.5,20.5 233,20.5 235.73,23.22 IC5.11 ; IC7.11 175.21,22.6 172.94,20.32 165.44,20.32 ; R27.2 76.57,32.2 C57.1 76.57,29.43 78,28 ; IC6.11 80.74,22.22 78.51,20 72,20 ; 130.36,26.86 127,23.5 127,14.2 124.5,11.7 124.5,8.4 ; 130.36,26.86 130.36,28 130.45,28.09 136,28.09 ; 78,28 80.17,28 81.4,26.78 IC6.4 ; C71.2 196.05,21.3 196.05,20.44 ; 170,28.41 169.23,28.41 168.77,28.87 C53.2 ; 196.05,20.44 203.94,20.44 206.22,22.72 IC10.11 ; 224,29.5 231,29.5 ; 231,29.5 232.5,29.5 ; C54.2 164.5,20.82 165,20.32 165.44,20.32 ; R20.2 231.71,31.8 C41.1 231.63,30.37 232.5,29.5 ; 48,27.5 50.67,27.5 51.9,26.28 IC3.4 ; 48,27.5 47,28.5 C39.1 47.15,29.65 R18.2 ; 255,20 263,20 265.73,22.72 IC8.11 ; 255,20 254.36,20.64 C56.2 ; 67,8.5 67,23 69,25 69,28 ; 101.09,19.59 108.09,19.59 110.35,21.85 IC9.11 ; 101.09,19.59 100.02,20.66 100.02,21.59 ; 138,28.09 137.07,29.01 C40.1 ; 138,28.09 136,28.09 ; 138,28.09 140.26,28.09 141.57,26.78 IC4.4 ; 72,20 70.36,21.64 C52.2 ; 72,20 67,20 ; 136,28.09 135.41,28.09 134.93,28.57 C35.2 ; IC8.4 264.73,27.28 263.5,28.5 261.5,28.5 ; 69,28 69,30.3 74.42,35.72 C48.1 ; 259.5,28.5 258.51,29.49 C55.2 ; 259.5,28.5 253,28.5 ; 259.5,28.5 261.5,28.5 ; 232.5,29.5 234.5,29.5 236.23,27.78 IC5.4